# KiCad board final-cu.kicad_pcb (continued)
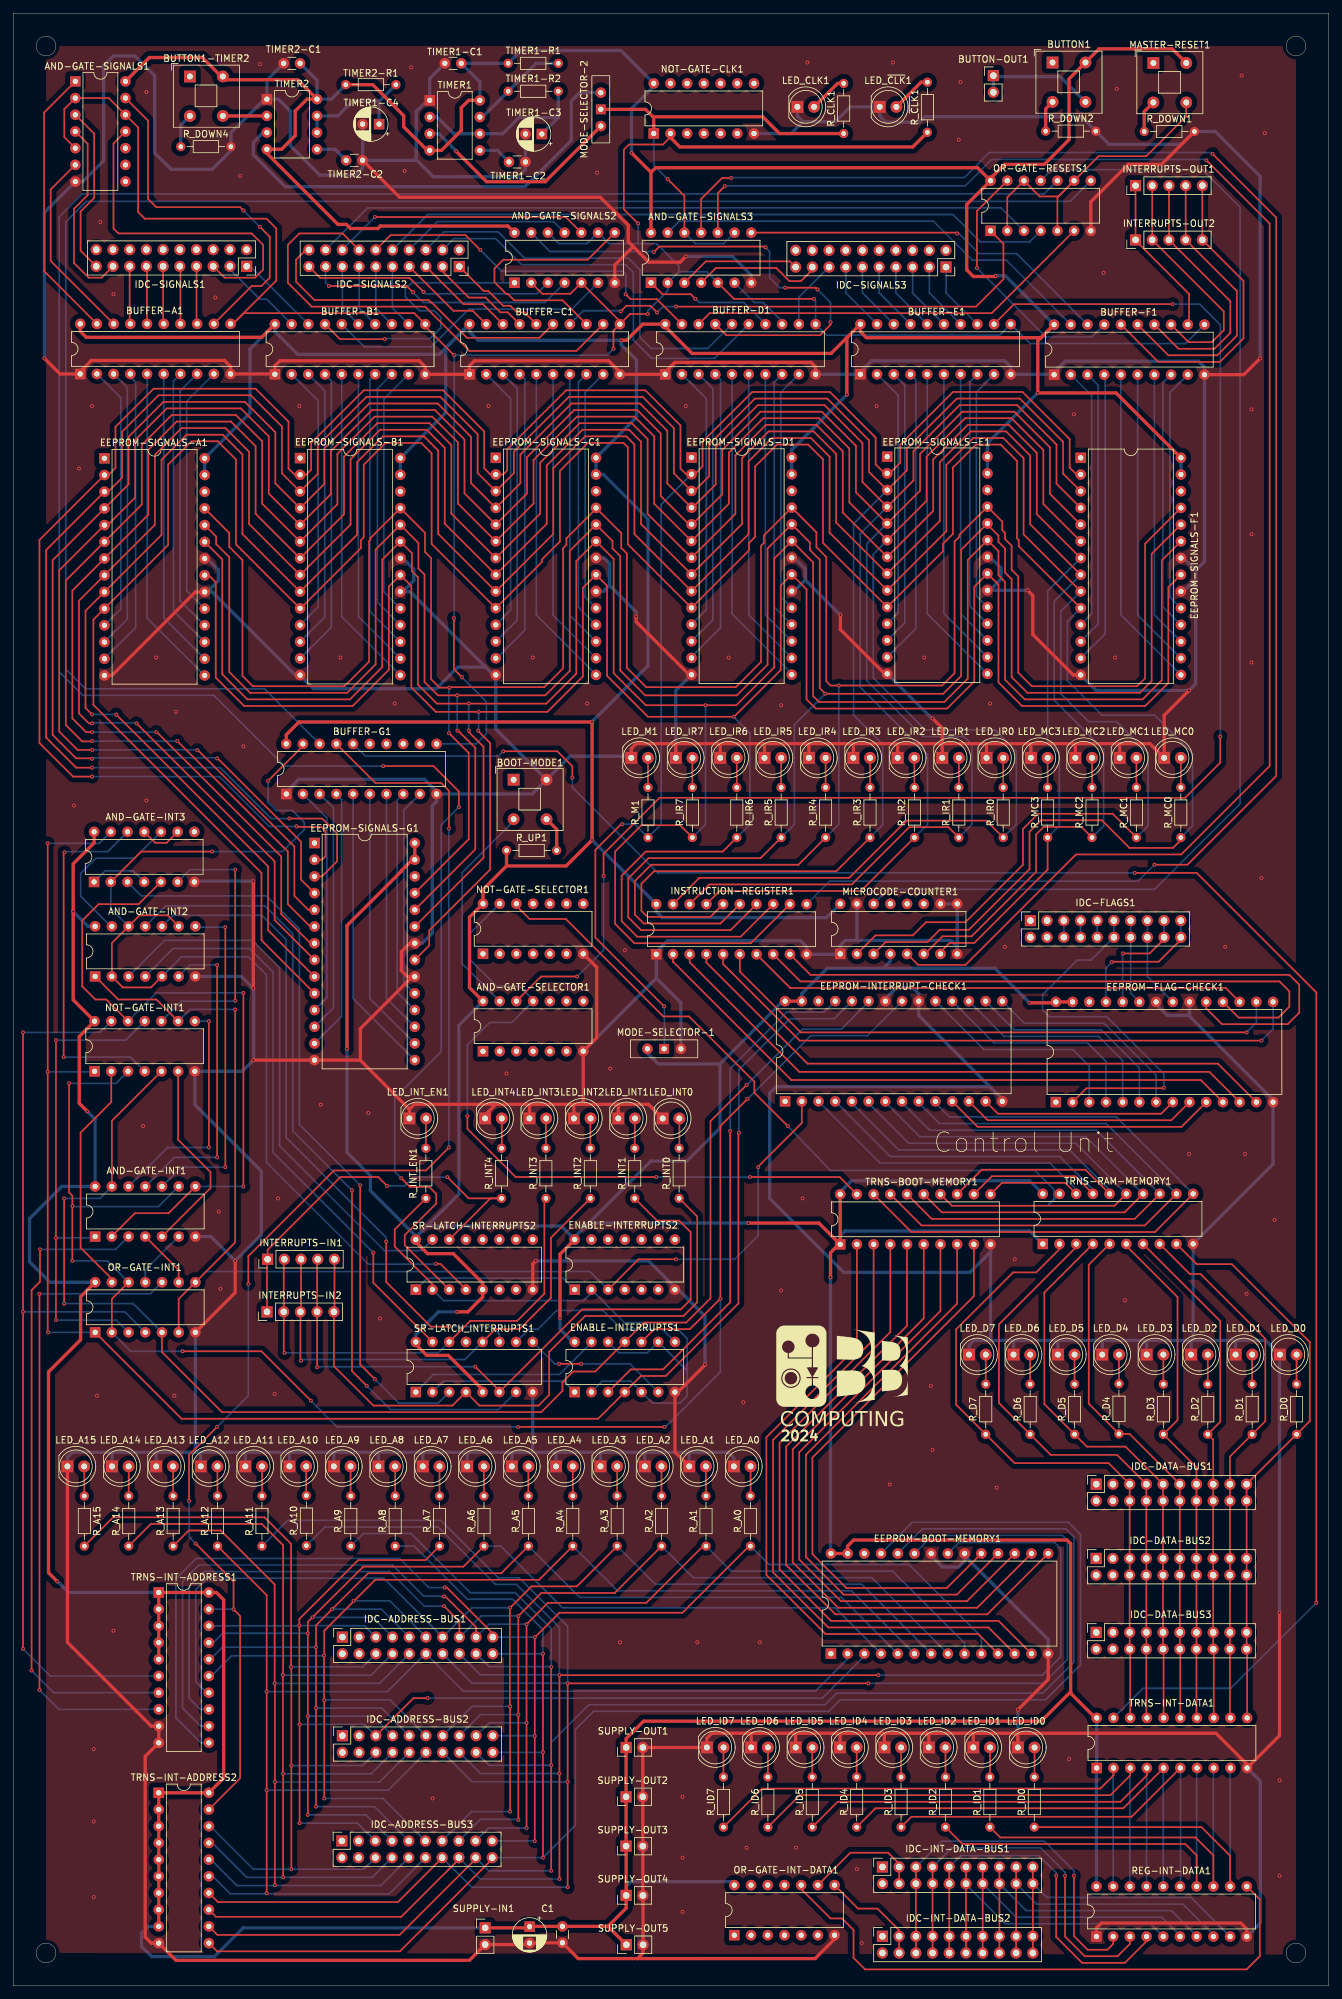
[diagram p0: board, top side]
## Nets (continued)
REG_TMPH_LOAD`: AND-GATE-SIGNALS2.1 BUFFER-B1.17
REG_TMPL_DATA_DIR: BUFFER-C1.16 IDC-SIGNALS2.1
REG_TMPL_LOAD: AND-GATE-SIGNALS2.4 IDC-SIGNALS2.17
REG_TMPL_LOAD`: AND-GATE-SIGNALS2.6 BUFFER-B1.16
RST_INT_0: AND-GATE-INT3.3 SR-LATCH_INTERRUPTS1.3
RST_INT_1: AND-GATE-INT2.11 SR-LATCH_INTERRUPTS1.7
RST_INT_2: AND-GATE-INT2.10 SR-LATCH_INTERRUPTS1.11
RST_INT_3: AND-GATE-INT2.4 SR-LATCH_INTERRUPTS1.15
RST_INT_4: AND-GATE-INT2.3 SR-LATCH-INTERRUPTS2.15
RST_INT_ENABLE: OR-GATE-RESETS1.10 SR-LATCH-INTERRUPTS2.3
RST_INT_ENABLE`: BUFFER-G1.18 OR-GATE-RESETS1.8
SET_INT_ENABLE: AND-GATE-INT2.2 AND-GATE-INT2.5 AND-GATE-INT2.9 AND-GATE-INT2.12 AND-GATE-INT3.2 BUFFER-G1.19 SR-LATCH-INTERRUPTS2.4
STC_MODE: BUFFER-D1.16 IDC-SIGNALS2.6
STC_RST: IDC-SIGNALS2.10 OR-GATE-RESETS1.4
STC_RST': BUFFER-D1.18 OR-GATE-RESETS1.6
STC_TICK: AND-GATE-SIGNALS2.11 IDC-SIGNALS2.8
STC_TICK`: AND-GATE-SIGNALS2.13 BUFFER-D1.17
~{ALU_OUT}: BUFFER-B1.18 IDC-SIGNALS1.1
~{CLK}: AND-GATE-SIGNALS1.2 AND-GATE-SIGNALS1.5 AND-GATE-SIGNALS1.12 AND-GATE-SIGNALS2.2 AND-GATE-SIGNALS2.5 AND-GATE-SIGNALS2.9 AND-GATE-SIGNALS2.12 AND-GATE-SIGNALS3.2 AND-GATE-SIGNALS3.5 BUFFER-A1.11 BUFFER-B1.11 BUFFER-C1.11 BUFFER-D1.11 BUFFER-E1.11 BUFFER-F1.11 BUFFER-G1.11 NOT-GATE-CLK1.2 R_~{CLK}1.1
~{INT3``_OR_INT4``}: AND-GATE-INT3.8
~{INT_1``_OR_INT_2``}: AND-GATE-INT3.6 NOT-GATE-INT1.10
~{INT_1``}: NOT-GATE-INT1.2 OR-GATE-INT1.13
~{INT_1``}_OR_INT_2``: AND-GATE-INT1.6 OR-GATE-INT1.11
~{INT_2``}: AND-GATE-INT3.12 NOT-GATE-INT1.4
~{INT_3``_OR_INT_4``}: AND-GATE-INT1.2 AND-GATE-INT1.8 AND-GATE-INT3.5 NOT-GATE-INT1.12
~{INT_3``}: AND-GATE-INT1.5 NOT-GATE-INT1.6
~{INT_3``}_AND_(~{INT_1``}_OR_INT_2``): AND-GATE-INT1.4 OR-GATE-INT1.9
~{INT_4``}: AND-GATE-INT1.12 NOT-GATE-INT1.8
~{INT_ADDRESS_OUT}: BUFFER-G1.17 TRNS-INT-ADDRESS1.19 TRNS-INT-ADDRESS2.19
~{INT_DATA_OUT}: BUFFER-G1.16 TRNS-INT-DATA1.19
~{MEM_IN}: BUFFER-E1.19 IDC-SIGNALS3.13
~{MEM_OUT}: BUFFER-D1.12 IDC-SIGNALS3.15
~{PC_LOAD}: BUFFER-C1.15 IDC-SIGNALS2.20
~{PC_OUT}: BUFFER-C1.12 IDC-SIGNALS2.14
~{REG_F_OUT}: BUFFER-B1.19 IDC-SIGNALS1.3
~{REG_MAR_USE_BTTNS}: BUFFER-E1.15 IDC-SIGNALS3.5
~{REG_MBR_USE_BTTNS}: BUFFER-E1.14 IDC-SIGNALS3.3
~{REG_MBR_USE_BUS}: BUFFER-E1.13 IDC-SIGNALS3.1
~{REG_TMP_PASS_ADDRESS}: BUFFER-B1.13 IDC-SIGNALS2.11
~{REG_TMPH_OUT}: BUFFER-B1.15 IDC-SIGNALS2.15
~{REG_TMPH_PASS_DATA}: BUFFER-B1.12 IDC-SIGNALS2.9
~{REG_TMPL_OUT}: BUFFER-B1.14 IDC-SIGNALS2.13
~{REG_TMPL_PASS_DATA}: BUFFER-C1.19 IDC-SIGNALS2.7
~{STC_LOAD}: BUFFER-D1.19 IDC-SIGNALS2.12
~{STC_OUT}: BUFFER-D1.15 IDC-SIGNALS2.4
~{ZERO_PAGE}: BUFFER-E1.17 IDC-SIGNALS3.9
Net-(AND-GATE-INT3-A): AND-GATE-INT3.1 AND-GATE-INT3.4
Net-(AND-GATE-INT3-F): AND-GATE-INT3.9 AND-GATE-INT3.11
Net-(AND-GATE-SELECTOR1-H): AND-GATE-SELECTOR1.13 BOOT-MODE1.3
Net-(AND-GATE-SELECTOR1-M=G.H): AND-GATE-SELECTOR1.11 NOT-GATE-SELECTOR1.13 TRNS-BOOT-MEMORY1.19
Net-(BOOT-MODE1-A): BOOT-MODE1.4 R_UP1.2
Net-(BUFFER-A1-1D): BUFFER-A1.2 EEPROM-SIGNALS-A1.11
Net-(BUFFER-A1-2D): BUFFER-A1.3 EEPROM-SIGNALS-A1.12
Net-(BUFFER-A1-3D): BUFFER-A1.4 EEPROM-SIGNALS-A1.13
Net-(BUFFER-A1-4D): BUFFER-A1.5 EEPROM-SIGNALS-A1.15
Net-(BUFFER-A1-5D): BUFFER-A1.6 EEPROM-SIGNALS-A1.16
Net-(BUFFER-A1-6D): BUFFER-A1.7 EEPROM-SIGNALS-A1.17
Net-(BUFFER-A1-7D): BUFFER-A1.8 EEPROM-SIGNALS-A1.18
Net-(BUFFER-A1-8D): BUFFER-A1.9 EEPROM-SIGNALS-A1.19
Net-(BUFFER-B1-1D): BUFFER-B1.2 EEPROM-SIGNALS-B1.11
Net-(BUFFER-B1-2D): BUFFER-B1.3 EEPROM-SIGNALS-B1.12
Net-(BUFFER-B1-3D): BUFFER-B1.4 EEPROM-SIGNALS-B1.13
Net-(BUFFER-B1-4D): BUFFER-B1.5 EEPROM-SIGNALS-B1.15
Net-(BUFFER-B1-5D): BUFFER-B1.6 EEPROM-SIGNALS-B1.16
Net-(BUFFER-B1-6D): BUFFER-B1.7 EEPROM-SIGNALS-B1.17
Net-(BUFFER-B1-7D): BUFFER-B1.8 EEPROM-SIGNALS-B1.18
Net-(BUFFER-B1-8D): BUFFER-B1.9 EEPROM-SIGNALS-B1.19
Net-(BUFFER-C1-1D): BUFFER-C1.2 EEPROM-SIGNALS-C1.11
Net-(BUFFER-C1-2D): BUFFER-C1.3 EEPROM-SIGNALS-C1.12
Net-(BUFFER-C1-3D): BUFFER-C1.4 EEPROM-SIGNALS-C1.13
Net-(BUFFER-C1-4D): BUFFER-C1.5 EEPROM-SIGNALS-C1.15
Net-(BUFFER-C1-5D): BUFFER-C1.6 EEPROM-SIGNALS-C1.16
Net-(BUFFER-C1-6D): BUFFER-C1.7 EEPROM-SIGNALS-C1.17
Net-(BUFFER-C1-7D): BUFFER-C1.8 EEPROM-SIGNALS-C1.18
Net-(BUFFER-C1-8D): BUFFER-C1.9 EEPROM-SIGNALS-C1.19
Net-(BUFFER-D1-1D): BUFFER-D1.2 EEPROM-SIGNALS-D1.11
Net-(BUFFER-D1-2D): BUFFER-D1.3 EEPROM-SIGNALS-D1.12
Net-(BUFFER-D1-3D): BUFFER-D1.4 EEPROM-SIGNALS-D1.13
Net-(BUFFER-D1-4D): BUFFER-D1.5 EEPROM-SIGNALS-D1.15
Net-(BUFFER-D1-5D): BUFFER-D1.6 EEPROM-SIGNALS-D1.16
Net-(BUFFER-D1-6D): BUFFER-D1.7 EEPROM-SIGNALS-D1.17
Net-(BUFFER-D1-7D): BUFFER-D1.8 EEPROM-SIGNALS-D1.18
Net-(BUFFER-D1-8D): BUFFER-D1.9 EEPROM-SIGNALS-D1.19
Net-(BUFFER-E1-1D): BUFFER-E1.2 EEPROM-SIGNALS-E1.11
Net-(BUFFER-E1-2D): BUFFER-E1.3 EEPROM-SIGNALS-E1.12
Net-(BUFFER-E1-3D): BUFFER-E1.4 EEPROM-SIGNALS-E1.13
Net-(BUFFER-E1-4D): BUFFER-E1.5 EEPROM-SIGNALS-E1.15
Net-(BUFFER-E1-5D): BUFFER-E1.6 EEPROM-SIGNALS-E1.16
Net-(BUFFER-E1-6D): BUFFER-E1.7 EEPROM-SIGNALS-E1.17
Net-(BUFFER-E1-7D): BUFFER-E1.8 EEPROM-SIGNALS-E1.18
Net-(BUFFER-E1-8D): BUFFER-E1.9 EEPROM-SIGNALS-E1.19
Net-(BUFFER-F1-1D): BUFFER-F1.2 EEPROM-SIGNALS-F1.11
Net-(BUFFER-F1-2D): BUFFER-F1.3 EEPROM-SIGNALS-F1.12
Net-(BUFFER-F1-3D): BUFFER-F1.4 EEPROM-SIGNALS-F1.13
Net-(BUFFER-F1-4D): BUFFER-F1.5 EEPROM-SIGNALS-F1.15
Net-(BUFFER-F1-5D): BUFFER-F1.6 EEPROM-SIGNALS-F1.16
Net-(BUFFER-F1-6D): BUFFER-F1.7 EEPROM-SIGNALS-F1.17
Net-(BUFFER-F1-7D): BUFFER-F1.8 EEPROM-SIGNALS-F1.18
Net-(BUFFER-F1-8D): BUFFER-F1.9 EEPROM-SIGNALS-F1.19
Net-(BUFFER-G1-1D): BUFFER-G1.2 EEPROM-SIGNALS-G1.11
Net-(BUFFER-G1-2D): BUFFER-G1.3 EEPROM-SIGNALS-G1.12
Net-(BUFFER-G1-3D): BUFFER-G1.4 EEPROM-SIGNALS-G1.13
Net-(BUFFER-G1-4D): BUFFER-G1.5 EEPROM-SIGNALS-G1.15
Net-(BUFFER-G1-5D): BUFFER-G1.6 EEPROM-SIGNALS-G1.16
Net-(BUFFER-G1-6D): BUFFER-G1.7 EEPROM-SIGNALS-G1.17
Net-(BUFFER-G1-7D): BUFFER-G1.8 EEPROM-SIGNALS-G1.18
Net-(BUFFER-G1-8D): BUFFER-G1.9 EEPROM-SIGNALS-G1.19
Net-(BUTTON1-K): BUTTON1.3 R_DOWN2.1
Net-(BUTTON1-TIMER2-A): BUTTON1-TIMER2.4 TIMER2.2
Net-(BUTTON1-TIMER2-K): BUTTON1-TIMER2.3 R_DOWN4.1
Net-(BUTTON-OUT1-Pin_1): BUTTON1.4 BUTTON-OUT1.1 BUTTON-OUT1.2
Net-(EEPROM-BOOT-MEMORY1-I/O0): EEPROM-BOOT-MEMORY1.11 TRNS-BOOT-MEMORY1.2
Net-(EEPROM-BOOT-MEMORY1-I/O1): EEPROM-BOOT-MEMORY1.12 TRNS-BOOT-MEMORY1.3
Net-(EEPROM-BOOT-MEMORY1-I/O2): EEPROM-BOOT-MEMORY1.13 TRNS-BOOT-MEMORY1.4
Net-(EEPROM-BOOT-MEMORY1-I/O3): EEPROM-BOOT-MEMORY1.15 TRNS-BOOT-MEMORY1.5
Net-(EEPROM-BOOT-MEMORY1-I/O4): EEPROM-BOOT-MEMORY1.16 TRNS-BOOT-MEMORY1.6
Net-(EEPROM-BOOT-MEMORY1-I/O5): EEPROM-BOOT-MEMORY1.17 TRNS-BOOT-MEMORY1.7
Net-(EEPROM-BOOT-MEMORY1-I/O6): EEPROM-BOOT-MEMORY1.18 TRNS-BOOT-MEMORY1.8
Net-(EEPROM-BOOT-MEMORY1-I/O7): EEPROM-BOOT-MEMORY1.19 TRNS-BOOT-MEMORY1.9
Net-(EEPROM-FLAG-CHECK1-A0): EEPROM-FLAG-CHECK1.10 EEPROM-INTERRUPT-CHECK1.11
Net-(EEPROM-FLAG-CHECK1-A1): EEPROM-FLAG-CHECK1.9 EEPROM-INTERRUPT-CHECK1.12
Net-(EEPROM-FLAG-CHECK1-A2): EEPROM-FLAG-CHECK1.8 EEPROM-INTERRUPT-CHECK1.13
Net-(EEPROM-FLAG-CHECK1-A3): EEPROM-FLAG-CHECK1.7 EEPROM-INTERRUPT-CHECK1.15
Net-(EEPROM-FLAG-CHECK1-A4): EEPROM-FLAG-CHECK1.6 EEPROM-INTERRUPT-CHECK1.16
Net-(EEPROM-FLAG-CHECK1-A5): EEPROM-FLAG-CHECK1.5 EEPROM-INTERRUPT-CHECK1.17
Net-(EEPROM-FLAG-CHECK1-A6): EEPROM-FLAG-CHECK1.4 EEPROM-INTERRUPT-CHECK1.18
Net-(EEPROM-FLAG-CHECK1-A7): EEPROM-FLAG-CHECK1.3 EEPROM-INTERRUPT-CHECK1.19
Net-(EEPROM-FLAG-CHECK1-I/O0): EEPROM-FLAG-CHECK1.11 INSTRUCTION-REGISTER1.2
Net-(EEPROM-FLAG-CHECK1-I/O1): EEPROM-FLAG-CHECK1.12 INSTRUCTION-REGISTER1.3
Net-(EEPROM-FLAG-CHECK1-I/O2): EEPROM-FLAG-CHECK1.13 INSTRUCTION-REGISTER1.4
Net-(EEPROM-FLAG-CHECK1-I/O3): EEPROM-FLAG-CHECK1.15 INSTRUCTION-REGISTER1.5
Net-(EEPROM-FLAG-CHECK1-I/O4): EEPROM-FLAG-CHECK1.16 INSTRUCTION-REGISTER1.6
Net-(EEPROM-FLAG-CHECK1-I/O5): EEPROM-FLAG-CHECK1.17 INSTRUCTION-REGISTER1.7
Net-(EEPROM-FLAG-CHECK1-I/O6): EEPROM-FLAG-CHECK1.18 INSTRUCTION-REGISTER1.8
Net-(EEPROM-FLAG-CHECK1-I/O7): EEPROM-FLAG-CHECK1.19 INSTRUCTION-REGISTER1.9
Net-(EEPROM-INTERRUPT-CHECK1-A0): EEPROM-INTERRUPT-CHECK1.10 TRNS-BOOT-MEMORY1.18 TRNS-RAM-MEMORY1.11
Net-(EEPROM-INTERRUPT-CHECK1-A1): EEPROM-INTERRUPT-CHECK1.9 TRNS-BOOT-MEMORY1.17 TRNS-RAM-MEMORY1.12
Net-(EEPROM-INTERRUPT-CHECK1-A2): EEPROM-INTERRUPT-CHECK1.8 TRNS-BOOT-MEMORY1.16 TRNS-RAM-MEMORY1.13
Net-(EEPROM-INTERRUPT-CHECK1-A3): EEPROM-INTERRUPT-CHECK1.7 TRNS-BOOT-MEMORY1.15 TRNS-RAM-MEMORY1.14
Net-(EEPROM-INTERRUPT-CHECK1-A4): EEPROM-INTERRUPT-CHECK1.6 TRNS-BOOT-MEMORY1.14 TRNS-RAM-MEMORY1.15
Net-(EEPROM-INTERRUPT-CHECK1-A5): EEPROM-INTERRUPT-CHECK1.5 TRNS-BOOT-MEMORY1.13 TRNS-RAM-MEMORY1.16
Net-(EEPROM-INTERRUPT-CHECK1-A6): EEPROM-INTERRUPT-CHECK1.4 TRNS-BOOT-MEMORY1.12 TRNS-RAM-MEMORY1.17
Net-(EEPROM-INTERRUPT-CHECK1-A7): EEPROM-INTERRUPT-CHECK1.3 TRNS-BOOT-MEMORY1.11 TRNS-RAM-MEMORY1.18
Net-(LED_A0-A): LED_A0.2 R_A0.2
Net-(LED_A1-A): LED_A1.2 R_A1.2
Net-(LED_A2-A): LED_A2.2 R_A2.2
Net-(LED_A3-A): LED_A3.2 R_A3.2
Net-(LED_A4-A): LED_A4.2 R_A4.2
Net-(LED_A5-A): LED_A5.2 R_A5.2
Net-(LED_A6-A): LED_A6.2 R_A6.2
Net-(LED_A7-A): LED_A7.2 R_A7.2
Net-(LED_A8-A): LED_A8.2 R_A8.2
Net-(LED_A9-A): LED_A9.2 R_A9.2
Net-(LED_A10-A): LED_A10.2 R_A10.2
Net-(LED_A11-A): LED_A11.2 R_A11.2
Net-(LED_A12-A): LED_A12.2 R_A12.2
Net-(LED_A13-A): LED_A13.2 R_A13.2
Net-(LED_A14-A): LED_A14.2 R_A14.2
Net-(LED_A15-A): LED_A15.2 R_A15.1
Net-(LED_CLK1-A): LED_CLK1.2 R_CLK1.2
Net-(LED_D0-A): LED_D0.2 R_D0.2
Net-(LED_D1-A): LED_D1.2 R_D1.2
Net-(LED_D2-A): LED_D2.2 R_D2.2
Net-(LED_D3-A): LED_D3.2 R_D3.2
Net-(LED_D4-A): LED_D4.2 R_D4.2
Net-(LED_D5-A): LED_D5.2 R_D5.2
Net-(LED_D6-A): LED_D6.2 R_D6.2
Net-(LED_D7-A): LED_D7.2 R_D7.2
Net-(LED_ID0-A): LED_ID0.2 R_ID0.2
Net-(LED_ID1-A): LED_ID1.2 R_ID1.2
Net-(LED_ID2-A): LED_ID2.2 R_ID2.2
Net-(LED_ID3-A): LED_ID3.2 R_ID3.2
Net-(LED_ID4-A): LED_ID4.2 R_ID4.2
Net-(LED_ID5-A): LED_ID5.2 R_ID5.2
Net-(LED_ID6-A): LED_ID6.2 R_ID6.2
Net-(LED_ID7-A): LED_ID7.2 R_ID7.2
Net-(LED_INT0-A): LED_INT0.2 R_INT0.2
Net-(LED_INT1-A): LED_INT1.2 R_INT1.2
Net-(LED_INT2-A): LED_INT2.2 R_INT2.2
Net-(LED_INT3-A): LED_INT3.2 R_INT3.2
Net-(LED_INT4-A): LED_INT4.2 R_INT4.2
Net-(LED_INT_EN1-A): LED_INT_EN1.2 R_INT_EN1.2
Net-(LED_IR0-A): LED_IR0.2 R_IR0.2
Net-(LED_IR1-A): LED_IR1.2 R_IR1.2
Net-(LED_IR2-A): LED_IR2.2 R_IR2.2
Net-(LED_IR3-A): LED_IR3.2 R_IR3.2
Net-(LED_IR4-A): LED_IR4.2 R_IR4.2
Net-(LED_IR5-A): LED_IR5.2 R_IR5.2
Net-(LED_IR6-A): LED_IR6.2 R_IR6.1
Net-(LED_IR7-A): LED_IR7.2 R_IR7.2
Net-(LED_M1-A): LED_M1.2 R_M1.2
Net-(LED_MC0-A): LED_MC0.2 R_MC0.2
Net-(LED_MC1-A): LED_MC1.2 R_MC1.2
Net-(LED_MC2-A): LED_MC2.2 R_MC2.2
Net-(LED_MC3-A): LED_MC3.2 R_MC3.2
Net-(LED_~{CLK}1-A): LED_~{CLK}1.2 R_~{CLK}1.2
Net-(MASTER-RESET1-K): MASTER-RESET1.3 R_DOWN1.1
Net-(MODE-SELECTOR-2A-A): MODE-SELECTOR-2.1 TIMER1.3
Net-(MODE-SELECTOR-2A-C): MODE-SELECTOR-2.3 TIMER2.3
Net-(NOT-GATE-SELECTOR1-~{6Y}): NOT-GATE-SELECTOR1.12 TRNS-RAM-MEMORY1.19
Net-(OR-GATE-INT-DATA1-L=E+F): OR-GATE-INT-DATA1.10 REG-INT-DATA1.11
Net-(TIMER1-CV): TIMER1.5 TIMER1-C2.1
Net-(TIMER1-DIS): TIMER1.7 TIMER1-R1.2 TIMER1-R2.1
Net-(TIMER1-THR): TIMER1.2 TIMER1.6 TIMER1-C3.1 TIMER1-R2.2
Net-(TIMER2-CV): TIMER2.5 TIMER2-C2.1
Net-(TIMER2-DIS): TIMER1-C4.1 TIMER2.6 TIMER2.7 TIMER2-R1.2

Pads without a net: AND-GATE-SELECTOR1 1 2 3 4 5 6 8 9 10; AND-GATE-SIGNALS1 8 9 10; BOOT-MODE1 1; BUFFER-G1 12 13 14 15; BUTTON1 1; BUTTON1-TIMER2 1; EEPROM-BOOT-MEMORY1 1 26; EEPROM-FLAG-CHECK1 1 26; EEPROM-INTERRUPT-CHECK1 1 26; EEPROM-SIGNALS-A1 1 26; EEPROM-SIGNALS-B1 1 26; EEPROM-SIGNALS-C1 1 26; EEPROM-SIGNALS-D1 1 26; EEPROM-SIGNALS-E1 1 26; EEPROM-SIGNALS-F1 1 26; EEPROM-SIGNALS-G1 1 26; ENABLE-INTERRUPTS2 4 5 6 8 9 10 11 12 13; IDC-ADDRESS-BUS1 1 2 3 4; IDC-ADDRESS-BUS2 1 2 3 4; IDC-ADDRESS-BUS3 1 2 3 4; IDC-DATA-BUS1 1 2 3 4; IDC-DATA-BUS2 1 2 3 4; IDC-DATA-BUS3 1 2 3 4; IDC-FLAGS1 1 2 3 4; IDC-INT-DATA-BUS1 1 2; IDC-INT-DATA-BUS2 1 2; IDC-SIGNALS1 2 4 6 8 10 12 14 16 18 20; IDC-SIGNALS2 2; IDC-SIGNALS3 2 4 6 8 10 12 14 16 18 20; MASTER-RESET1 1; MICROCODE-COUNTER1 11 12 13; NOT-GATE-CLK1 3 4 5 6 8 9 10 11 12 13; NOT-GATE-SELECTOR1 1 2 3 4 5 6 8 9 10 11; OR-GATE-INT-DATA1 1 2 3 4 5 6 11 12 13; SR-LATCH-INTERRUPTS2 6 7 9 10 11 12 13; SR-LATCH_INTERRUPTS1 13

## Via types
v1: diameter 0.6, hole 0.3, Top to Bottom, 331 vias

## Routing (per net, layer and track width the routed paths; a pad name or vN(x,y) marks a point on that pad's centre or on a via; arc(x,y) is an arc through that point)
GND: length 2429.1
  Top w0.5: 100.71,188.9 107.46,188.9 ; 100.71,188.9 100.72,188.88 LED_IR7.1 ; 100.71,188.9 94.71,188.9 93.96,188.15 LED_M1.1 ; 107.46,188.9 107.47,188.88 LED_IR6.1 ; 107.46,188.9 114.21,188.9 ; v1(79.45,110.25) 78.98,109.78 SR-LATCH-INTERRUPTS2.8 ; 73.5,134.06 73.38,134.06 71.73,132.41 LED_INT4.1 ; 73.5,134.06 78.75,134.06 ; 73.5,134.06 60.98,134.06 60.23,133.31 ; 119,38.41 118.95,38.36 LED_ID5.1 ; 119,38.41 112,38.41 ; 119,38.41 125.75,38.41 ; LED_IR2.1 134.46,188.9 ; 134.46,188.9 141.21,188.9 ; 134.46,188.9 127.71,188.9 ; 146,38.41 145.95,38.36 LED_ID1.1 ; 146,38.41 139,38.41 ; 146,38.41 152.75,38.41 ; EEPROM-SIGNALS-G1.22 60.31,158.56 59,157.25 59,154.4 59.92,153.48 EEPROM-SIGNALS-G1.20 60.69,153.48 52.77,145.56 52.77,140.78 ; 141.22,188.88 141.21,188.9 ; 141.22,188.88 LED_IR1.1 ; 141.22,188.88 141.22,191.28 v1(139.75,192.75) ; 141.21,188.9 147.96,188.9 ; 168.21,188.9 172.81,188.9 LED_MC0.1 174.96,193.21 v1(178.75,197) ; 168.21,188.9 LED_MC1.1 ; 168.21,188.9 161.46,188.9 ; 52.77,140.78 60.23,133.31 ; 52.77,140.78 EEPROM-SIGNALS-G1.14 36.53,140.78 v1(36.5,140.75) ; 60.23,133.31 LED_INT_EN1.1 ; LED_MC2.1 161.46,188.9 ; 161.46,188.9 154.71,188.9 ; 92,134.06 96.59,134.06 LED_INT0.1 ; 92,134.06 86.75,134.06 ; 92,134.06 91.99,134.05 LED_INT1.1 ; 85.25,134.06 85.23,134.05 LED_INT2.1 ; 85.25,134.06 86.75,134.06 ; 85.25,134.06 78.75,134.06 ; 86.75,134.06 86.66,134.15 AND-GATE-SELECTOR1.7 88.71,144.18 88.71,154.9 NOT-GATE-SELECTOR1.7 ; v1(154.21,212.23) 155,211.44 155,205.5 161.14,199.36 EEPROM-SIGNALS-F1.14 ; OR-GATE-RESETS1.7 163.82,271.32 169.5,277 174.56,277 R_DOWN1.2 ; v1(192.5,56.75) 192.5,38.05 TRNS-INT-DATA1.10 187.58,33.67 182.84,38.41 152.75,38.41 ; EEPROM-SIGNALS-A1.20 27.71,211.98 15.01,199.28 EEPROM-SIGNALS-A1.14 ; 120.96,188.9 127.71,188.9 ; 120.96,188.9 114.21,188.9 ; 120.96,188.9 LED_IR4.1 ; 127.71,188.9 LED_IR3.1 ; LED_A1.1 100.6,81.16 ENABLE-INTERRUPTS1.7 101.06,90.31 105.17,94.42 v1(105.17,94.5) ; v1(33.75,110.25) 33.75,105.43 OR-GATE-INT1.7 ; v1(189.55,247.5) 187.07,245.02 BUFFER-F1.10 ; 94.9,4.15 85.89,4.15 C2.2 79.29,6.54 79.25,6.5 C1.2 78.28,6.28 SUPPLY-IN1.2 69.35,3.88 24.76,3.88 TRNS-INT-ADDRESS2.10 21,6.5 20.08,7.42 20.08,34.91 TRNS-INT-ADDRESS1.10 TRNS-INT-ADDRESS1.9 21,39.5 8.25,52.25 LED_A15.1 ; 94.9,4.15 121.9,4.15 124.87,7.12 OR-GATE-INT-DATA1.7 ; 94.9,4.15 95.75,5 SUPPLY-OUT5.2 95.75,13.73 SUPPLY-OUT4.2 95.72,21.24 SUPPLY-OUT3.2 SUPPLY-OUT2.2 95.71,36.24 SUPPLY-OUT1.2 105.44,36.25 LED_ID7.1 105.45,37.66 106.2,38.41 112,38.41 ; LED_ID0.1 152.72,38.38 152.75,38.41 ; 112,38.41 112.19,38.23 LED_ID6.1 ; 139,38.41 139.19,38.23 LED_ID2.1 ; 139,38.41 132.25,38.41 ; v1(94.71,208.25) 94.71,207.45 102.76,199.4 EEPROM-SIGNALS-D1.14 ; 125.75,38.41 125.69,38.35 LED_ID4.1 ; 125.75,38.41 132.25,38.41 ; 78.75,134.06 78.48,133.8 LED_INT3.1 ; 147.96,188.9 154.71,188.9 ; 147.96,188.9 LED_IR0.1 ; 94.25,264.5 93.5,265.25 93.5,267.75 89.25,272 58.74,272 TIMER2-C2.2 ; 94.25,264.5 91.45,261.7 AND-GATE-SIGNALS2.7 ; 94.25,264.5 96.62,262.13 101.38,262.13 v1(102.25,263) ; 154.71,188.9 LED_MC3.1 ; BUFFER-A1.1 7.12,245.13 v1(4.75,247.5) ; BUFFER-A1.1 10.19,245.49 11.88,247.18 32.13,247.18 33.05,246.26 BUFFER-A1.10 39.53,245.13 39.58,245.08 BUFFER-B1.1 39.79,246.38 40.54,247.13 61.73,247.13 62.65,246.21 BUFFER-B1.10 BUFFER-C1.1 69.37,246.38 70.12,247.13 90.53,247.13 92.23,245.44 BUFFER-C1.10 BUFFER-D1.1 99.12,245.44 100.56,246.88 121.31,246.88 121.98,246.21 BUFFER-D1.10 ; BUFFER-A1.1 10.19,245.31 ; EEPROM-SIGNALS-E1.14 132.47,199.53 125.75,206.25 v1(125.75,208.5) ; 132.25,38.41 132.44,38.23 LED_ID3.1 ; EEPROM-BOOT-MEMORY1.14 157.33,46.58 v1(152.75,42) ; v1(36.5,168) v1(36.5,151.75) ; 114.21,188.9 LED_IR5.1 ; REG-INT-DATA1.10 187.53,8.63 186.61,9.55 165.42,9.55 164.67,8.8 REG-INT-DATA1.1
  Bottom w0.5: LED_A10.1 42,81.15 ; 42,81.15 35.25,81.15 ; 42,81.15 48.75,81.15 ; LED_A15.1 8.25,80.4 9,81.15 15,81.15 ; 97.76,153.23 INSTRUCTION-REGISTER1.1 97.76,157.24 99.45,158.93 119.7,158.93 120.62,158.01 INSTRUCTION-REGISTER1.10 125.68,156.88 MICROCODE-COUNTER1.1 125.72,158.23 126.47,158.98 128.35,158.98 ; 97.76,153.23 97.77,153.23 101.5,149.5 MODE-SELECTOR-1.3 ; 97.76,153.23 AND-GATE-SELECTOR1.7 ; 179.75,215.26 181.1,216.61 BUFFER-F1.10 181.1,246.15 180.18,247.07 159.93,247.07 158.24,245.38 BUFFER-F1.1 158.02,245.02 157.96,245.08 BUFFER-E1.10 151.65,246.21 150.73,247.13 130.48,247.13 128.79,245.44 BUFFER-E1.1 BUFFER-D1.10 ; 179.75,215.26 177.87,217.14 EEPROM-SIGNALS-F1.22 ; 179.75,215.26 179.75,198 v1(178.75,197) 164.64,197 EEPROM-SIGNALS-F1.14 ; 179.57,213.75 177.87,212.06 EEPROM-SIGNALS-F1.20 ; TIMER2.1 38.21,286.92 33.1,281.81 R_DOWN4.2 33.1,279.1 30.25,276.25 24,276.25 21.5,278.75 21.5,290.5 18.5,293.5 15.25,293.5 13.75,292 13.75,277.55 10.58,274.38 AND-GATE-SIGNALS1.7 4.75,269.69 v1(4.75,247.5) ; TIMER2.1 40.32,286.92 42.12,285.12 42.12,279.87 46.62,275.37 52,275.37 53.12,276.49 TIMER2-C2.2 ; TIMER2.1 38.57,289.82 TIMER2-C1.2 ; LED_ID0.1 152.72,41.98 v1(152.75,42) ; LED_A0.1 109.56,80.28 108.69,81.15 102.75,81.15 ; 61.27,278.27 61.27,277.62 TIMER2-C2.2 ; 61.27,278.27 61.27,285.05 62.96,286.74 TIMER1.1 63.32,290.07 TIMER1-C1.2 ; 61.27,278.27 61.27,277.72 63.87,275.12 76.75,275.12 77.87,276.24 TIMER1-C2.2 TIMER1-C3.2 ; AND-GATE-INT1.7 30.05,113.95 v1(33.75,110.25) 37.72,114.22 37.72,123.89 27.61,134 NOT-GATE-INT1.7 34.83,139.08 v1(36.5,140.75) 36.55,140.8 36.55,151.64 36.5,151.69 v1(36.5,151.75) 36.44,151.75 34.68,153.51 AND-GATE-INT2.7 ; LED_M1.1 93.71,187 84.66,187 BOOT-MODE1.2 ; EEPROM-SIGNALS-G1.22 62.18,158.56 63.7,160.08 63.7,179.45 64.37,180.12 BUFFER-G1.10 ; 62,81.15 69.25,81.15 ; 62,81.15 62.27,80.88 LED_A7.1 ; 62,81.15 55.5,81.15 ; 69.25,81.15 76,81.15 ; 69.25,81.15 69.02,80.91 LED_A6.1 ; 89.25,81.15 89.28,81.12 LED_A3.1 ; 89.25,81.15 82.5,81.15 ; 89.25,81.15 96,81.15 ; v1(139.75,192.75) 139.65,192.75 EEPROM-SIGNALS-E1.14 ; OR-GATE-INT1.7 27.7,81.2 27.75,81.15 ; EEPROM-INTERRUPT-CHECK1.14 150.36,134.87 148.67,136.56 148.66,136.56 ; LED_A11.1 35.29,81.11 35.25,81.15 ; v1(192.5,56.75) 192.5,95.94 LED_D0.1 190.41,98.15 185.83,98.15 ; 120.06,283.5 119.21,284.35 LED_CLK1.1 ; 120.06,283.5 118.26,281.7 NOT-GATE-CLK1.7 ; 120.06,283.5 125,283.5 127.25,285.75 LED_~{CLK}1.1 131.72,284.35 132.66,283.42 137.76,283.42 138.59,284.25 162.38,284.25 R_DOWN2.2 166.58,280.05 177.61,280.05 R_DOWN1.2 182.75,282 189.55,275.2 v1(189.55,247.5) ; 128.35,158.98 128.26,159.06 MICROCODE-COUNTER1.15 ; 128.35,158.98 142.6,158.98 143.5,158.07 MICROCODE-COUNTER1.8 MICROCODE-COUNTER1.9 MICROCODE-COUNTER1.10 ; 71.81,200.56 60.35,212.02 EEPROM-SIGNALS-B1.20 59.21,212.02 60.91,213.71 60.91,215.41 59.21,217.1 EEPROM-SIGNALS-B1.22 ; 71.81,200.56 71.8,200.55 67.59,200.55 66.42,199.38 66.42,199.36 64.33,197.27 45.67,197.27 EEPROM-SIGNALS-B1.14 42.91,199.32 30.25,211.98 EEPROM-SIGNALS-A1.20 29.47,211.98 31.17,213.67 31.17,215.37 29.47,217.06 EEPROM-SIGNALS-A1.22 ; 71.81,200.56 73.01,199.36 EEPROM-SIGNALS-C1.14 73.37,191.13 BOOT-MODE1.2 ; AND-GATE-SIGNALS3.7 112.2,260.13 109.33,263 v1(102.25,263) ; 102.75,81.15 96,81.15 ; 102.75,81.15 102.76,81.13 LED_A1.1 ; 76,81.15 79,81.15 ; 76,81.15 75.81,80.96 LED_A5.1 ; 79,81.15 78.98,81.16 SR-LATCH_INTERRUPTS1.8 ; 79,81.15 82.5,81.15 ; 120.41,213.79 125.7,208.5 v1(125.75,208.5) ; 120.41,213.79 120.41,215.49 118.71,217.18 EEPROM-SIGNALS-D1.22 ; 120.41,213.79 118.71,212.1 EEPROM-SIGNALS-D1.20 ; LED_D3.1 172.31,98.12 172.33,98.15 ; 90.66,212.98 94.71,208.93 v1(94.71,208.25) ; 90.66,212.98 89.74,212.06 EEPROM-SIGNALS-C1.20 ; 90.66,212.98 90.66,216.34 89.86,217.14 EEPROM-SIGNALS-C1.22 ; 179.5,98.15 179.38,98.28 TRNS-RAM-MEMORY1.10 191.52,124.97 EEPROM-FLAG-CHECK1.14 191.52,134.75 178.82,147.45 EEPROM-FLAG-CHECK1.20 178.82,147.88 178.52,147.59 175.43,147.59 173.74,149.28 EEPROM-FLAG-CHECK1.22 ; 179.5,98.15 179.08,98.15 ; 179.5,98.15 185.83,98.15 ; 21.75,81.15 27.75,81.15 ; 21.75,81.15 15,81.15 ; 21.75,81.15 LED_A13.1 ; 27.75,81.15 28.5,81.15 ; BOOT-MODE1.2 78.91,181.25 BUFFER-G1.10 ; LED_D5.1 158.81,98.12 158.83,98.15 ; 28.5,81.15 28.52,81.13 LED_A12.1 ; 28.5,81.15 35.25,81.15 ; EEPROM-BOOT-MEMORY1.22 139.55,65.39 141.24,63.7 143.71,63.7 144.63,64.62 EEPROM-BOOT-MEMORY1.20 144.63,65.39 157.33,52.69 EEPROM-BOOT-MEMORY1.14 ; 15,81.15 15.02,81.13 LED_A14.1 ; 82.5,81.15 82.53,81.12 LED_A4.1 ; 172.33,98.15 179.08,98.15 ; 172.33,98.15 165.58,98.15 ; 179.08,98.15 179.06,98.12 LED_D2.1 ; v1(105.17,94.5) 105.17,101.83 101.12,105.88 ENABLE-INTERRUPTS2.7 100.6,106.23 96.58,110.25 v1(79.45,110.25) ; 96,81.15 96.01,81.13 LED_A2.1 ; 165.58,98.15 165.56,98.12 LED_D4.1 ; 165.58,98.15 158.83,98.15 ; REG-INT-DATA1.10 189.58,9.55 189.58,31.13 TRNS-INT-DATA1.10 ; TIMER2-C2.2 TIMER1-C4.2 ; 148.5,98.15 152.08,98.15 ; 148.5,98.15 148.58,98.23 TRNS-BOOT-MEMORY1.10 148.58,111.63 145.45,108.5 126.25,108.5 115,119.75 115,135.75 116,136.75 148.47,136.75 148.66,136.56 ; 148.5,98.15 146.06,98.15 145.31,97.4 LED_D7.1 ; 152.08,98.15 152.07,98.14 LED_D6.1 ; 152.08,98.15 158.83,98.15 ; 55.5,81.15 48.75,81.15 ; 55.5,81.15 55.52,81.13 LED_A8.1 ; LED_IR7.1 100.72,197.01 EEPROM-SIGNALS-D1.14 ; v1(36.5,168) 27.66,168 AND-GATE-INT3.7 ; EEPROM-SIGNALS-E1.22 148.46,217.31 150.16,215.62 150.16,213.92 148.46,212.23 EEPROM-SIGNALS-E1.20 v1(154.21,212.23) ; LED_D1.1 185.82,98.14 185.83,98.15 ; BUFFER-G1.10 64.37,181.63 62.5,183.5 43.4,183.5 41.51,181.61 BUFFER-G1.1 ; EEPROM-INTERRUPT-CHECK1.22 132.58,150.11 134.27,151.8 136.74,151.8 137.66,150.88 EEPROM-INTERRUPT-CHECK1.20 137.66,147.56 148.66,136.56 ; 48.75,81.15 LED_A9.1
  vias: v1(9.25,179.5) v1(10,230.75) v1(12,240.25) v1(12.25,36) v1(12.25,25) v1(12.25,13.5) v1(12.75,89.75) v1(13.25,268.25) v1(15.25,257.25) v1(15.25,54) v1(19.75,130.75) v1(20.25,288) v1(20.25,180.25) v1(21.75,202) v1(24.5,89.75) v1(24.75,193.75) v1(30.75,256.75) v1(31.25,117.75) v1(31.5,106) v1(34.5,275.25) v1(35,188.5) v1(37.5,292.25) v1(39.75,90) v1(40.25,119.75) v1(43.5,240.25) v1(46.75,134) v1(49.75,202) v1(54,132.75) v1(55.75,101.5) v1(58,195) v1(59.5,276) v1(60.5,291.75) v1(63.75,28.5) v1(72.25,240.25) v1(75,138.75) v1(79,202) v1(87.25,195) v1(88.75,275.75) v1(90.75,139.5) v1(92.25,52.25) v1(93,157.5) v1(101.75,28.75) v1(101.75,19.5) v1(101.75,11.25) v1(102.25,240.25) v1(104,52.25) v1(108.75,202) v1(111,88.75) v1(111.5,21) v1(113.5,52.25) v1(116.75,194.75) v1(116.75,105.75) v1(119,21) v1(120,119.75) v1(120.75,292.5) v1(128.25,17.75) v1(129,6.5) v1(131.25,240.25) v1(133.25,76.25) v1(133.75,292.5) v1(138.5,202) v1(139.5,91.25) v1(139.75,81.5) v1(143.75,280.75) v1(144,289.5) v1(148.5,195) v1(149.5,75.75) v1(150.75,158) v1(152.25,110.5) v1(160.5,34.5) v1(161.25,239) v1(165.75,260.5) v1(167.5,202) v1(167.75,288.5) v1(169,104.25) v1(178.75,126.5) v1(184.25,158) v1(186.75,290.5) v1(187.25,126.5) v1(187.5,105.25) v1(188.25,239.75) v1(188.25,220.75) v1(188.25,201.25) v1(189.75,168.5) v1(190.25,281.75) v1(191.75,116.5) v1(192.5,31.25) v1(192.5,16.75)
